# Altium PCB mantarray_beta2_sensor_arrayed.PcbDoc (part 4 of 14)
Units mil, origin at the board's own origin, x right, y up, seen from the top; angles counter-clockwise.
Board outline 6232.47 x 10167.51 mil, 8 copper layers (Layer1_Top, Layer2_sig1, Layer3_AVDD_PLANE, Layer4_GND_PLANE, Layer5_DVDD_PLANE, Layer6_BUS, Layer7_sig2, Layer8_BOT), stack 50.224 mil thick; 470 components, 492 nets, 4650 pads, 3798 vias.
Unrouted connection lines stored in the file: 3.
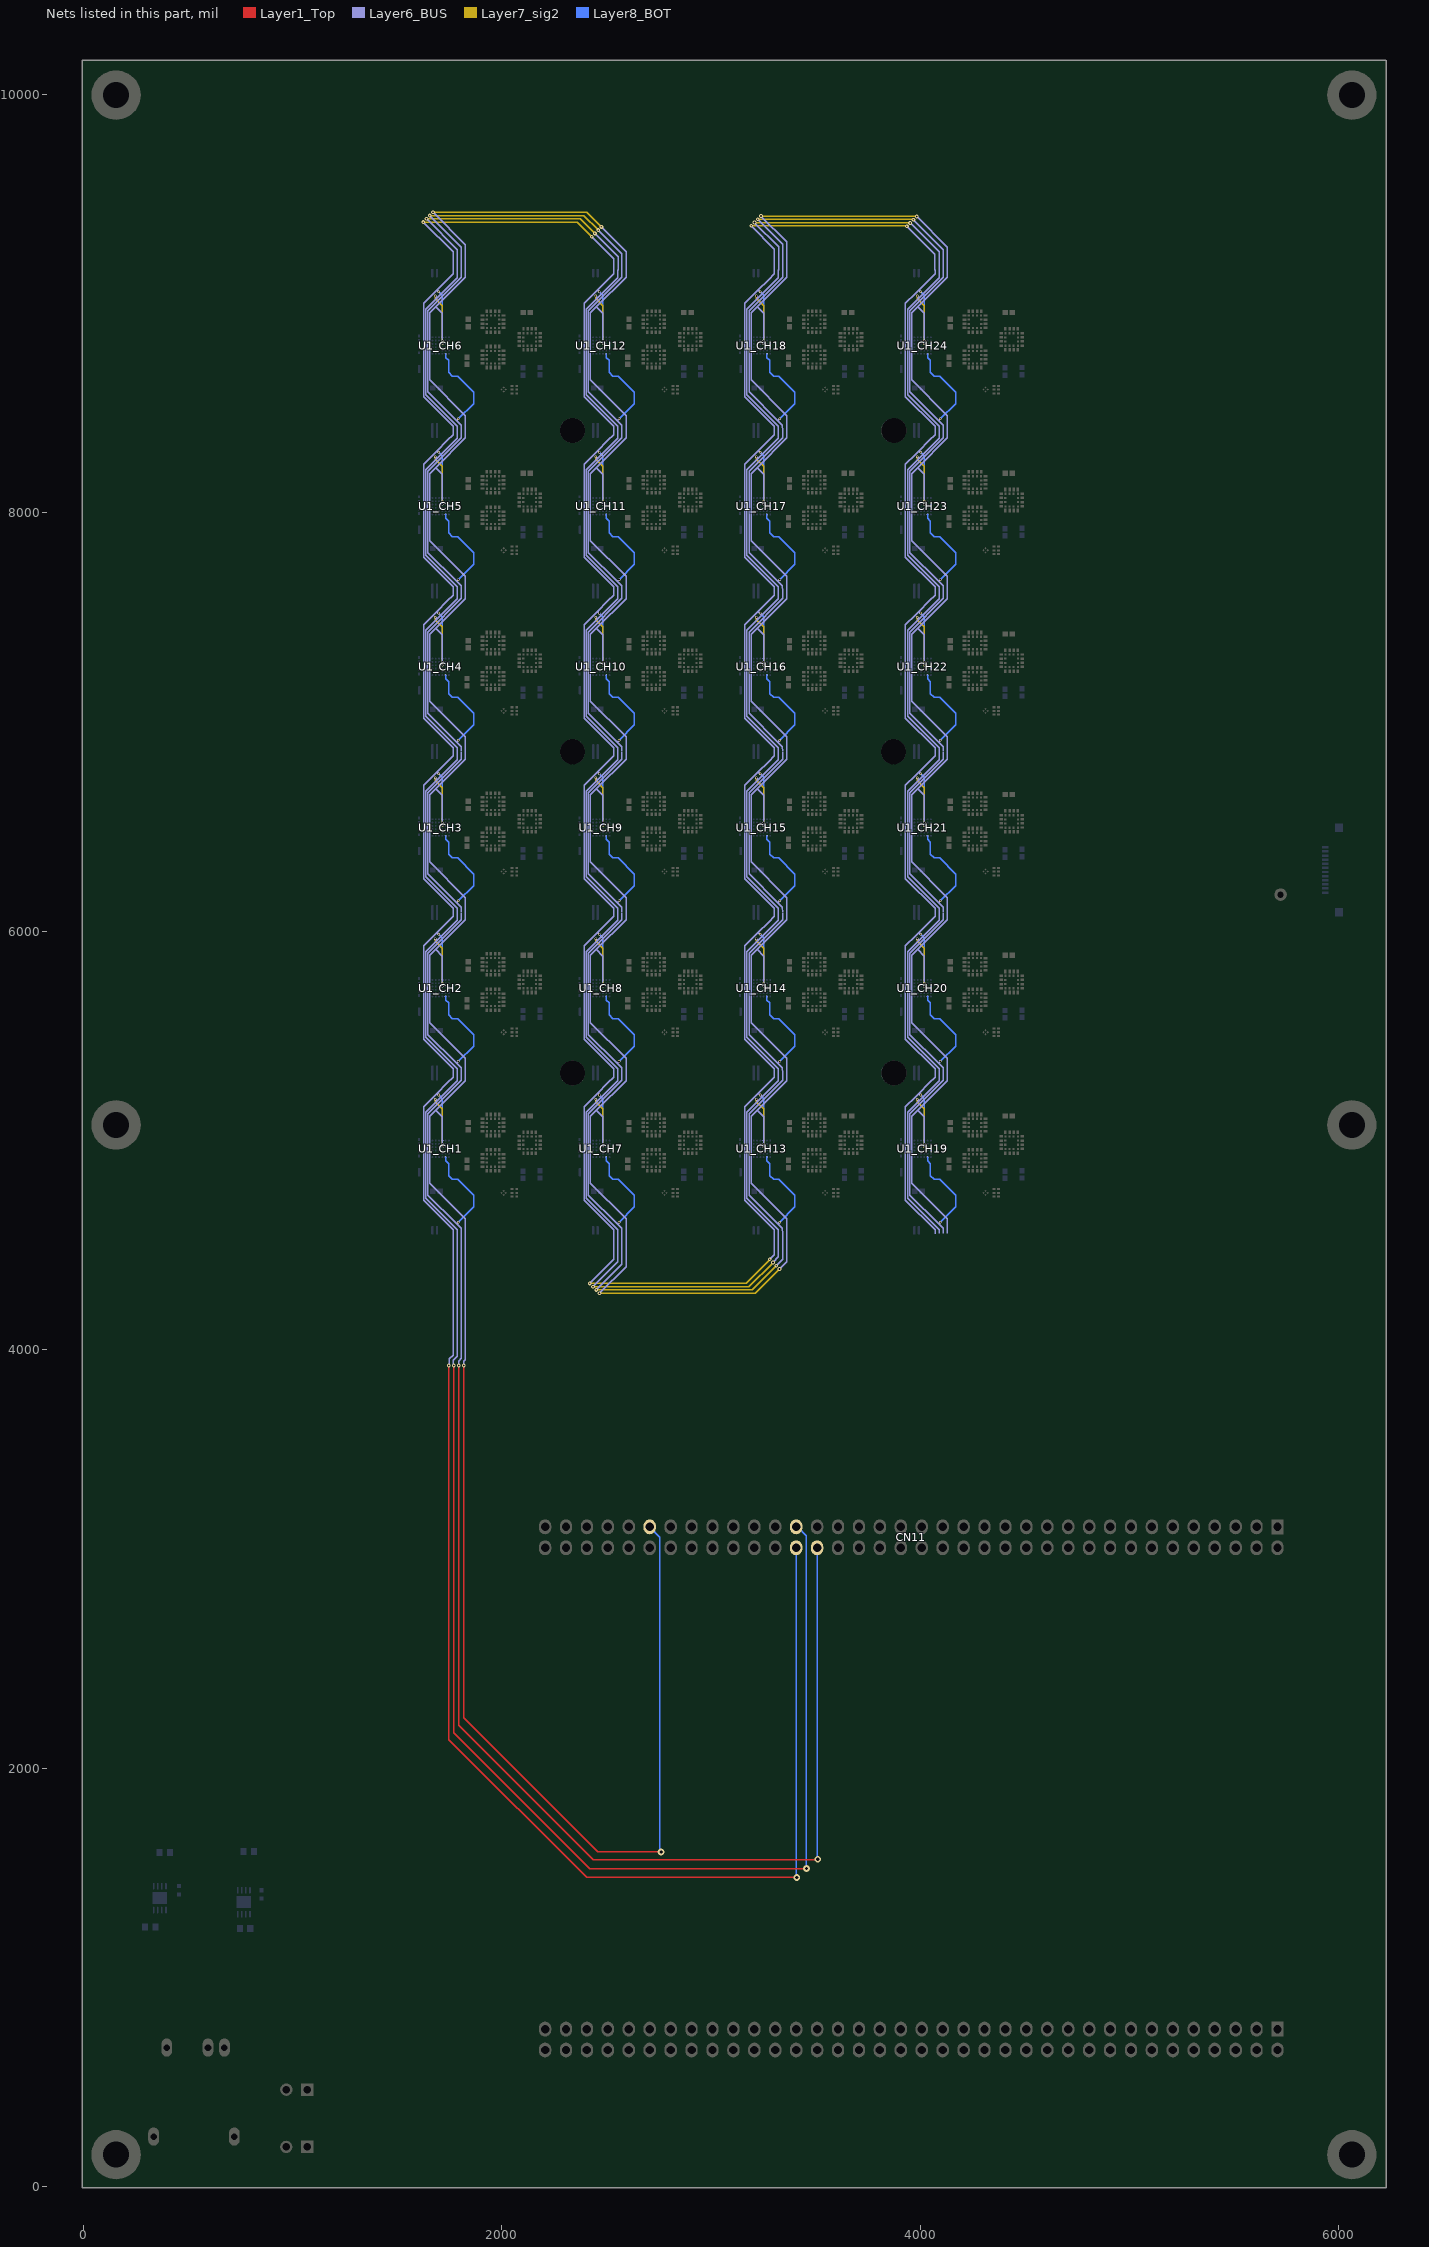
[diagram p10: the nets of this part, all layers, seen from the top]

## Via types
v1: diameter 12/12/12/12/12 (per signal layer), hole 7.87, Layer1_Top to Layer8_BOT, 2208 vias
v2: diameter 32, hole 20, Layer1_Top to Layer8_BOT, 815 vias
v3: diameter 10/10/10/10/10 (per signal layer), hole 7.87, Layer1_Top to Layer8_BOT, 456 vias
v4: diameter 18, hole 8, Layer6_BUS to Layer7_sig2, 102 vias
v5: diameter 10/10 (per signal layer), hole 7.87, Layer7_sig2 to Layer8_BOT, 96 vias
v6: diameter 18, hole 16, Layer1_Top to Layer8_BOT, 57 vias
v7: diameter 12, hole 7.87, Layer1_Top to Layer8_BOT, 26 vias
v8: diameter 18, hole 8, Layer1_Top to Layer8_BOT, 17 vias
v9: diameter 32, hole 16, Layer1_Top to Layer8_BOT, 10 vias
v10: diameter 19.68, hole 7.87, Layer1_Top to Layer8_BOT, 4 vias
v11: diameter 30, hole 20, Layer1_Top to Layer8_BOT, 3 vias
v12: diameter 70.87, hole 47.24, Layer1_Top to Layer8_BOT, 2 vias
v13: diameter 20, hole 16, Layer3_AVDD_PLANE to Layer8_BOT, 1 vias
v14: diameter 20, hole 16, Layer5_DVDD_PLANE to Layer8_BOT, 1 vias

## Nets (pads, with @x,y where several pads share a name; then routed paths per layer and width w, separated by ;. In a path a pad name is that pad's centre, name@x,y a point inside that pad or via, vN(x,y) a via of type N, cw(c..) or ccw(c..) an arc to the next point about the centre after c; other vN are vias at no path point) (continued)
BUS1: CN11.61 pad.5@1826.77,4557.09 pad.5@1826.77,5320.87 pad.5@1826.77,5324.8 pad.5@1826.77,6088.58 pad.5@1826.77,6092.52 pad.5@1826.77,6856.3 pad.5@1826.77,6860.24 pad.5@1826.77,7624.02 pad.5@1826.77,7627.95 pad.5@1826.77,8391.73 pad.5@1826.77,8395.67 pad.5@1826.77,9159.45 pad.5@2594.49,4557.09 pad.5@2594.49,5320.87 pad.5@2594.49,5324.8 pad.5@2594.49,6088.58 pad.5@2594.49,6092.52 pad.5@2594.49,6856.3 pad.5@2594.49,6860.24 pad.5@2594.49,7624.02 pad.5@2594.49,7627.95 pad.5@2594.49,8391.73 pad.5@2594.49,8395.67 pad.5@2594.49,9159.45 pad.5@3362.2,4557.09 pad.5@3362.2,5320.87 pad.5@3362.2,5324.8 pad.5@3362.2,6088.58 pad.5@3362.2,6092.52 pad.5@3362.2,6856.3 pad.5@3362.2,6860.24 pad.5@3362.2,7624.02 pad.5@3362.2,7627.95 pad.5@3362.2,8391.73 pad.5@3362.2,8395.67 pad.5@3362.2,9159.45 pad.5@4129.92,4557.09 pad.5@4129.92,5320.87 pad.5@4129.92,5324.8 pad.5@4129.92,6088.58 pad.5@4129.92,6092.52 pad.5@4129.92,6856.3 pad.5@4129.92,6860.24 pad.5@4129.92,7624.02 pad.5@4129.92,7627.95 pad.5@4129.92,8391.73 pad.5@4129.92,8395.67 pad.5@4129.92,9159.45 U1_CH1.C3 U1_CH2.C3 U1_CH3.C3 U1_CH4.C3 U1_CH5.C3 U1_CH6.C3 U1_CH7.C3 U1_CH8.C3 U1_CH9.C3 U1_CH10.C3 U1_CH11.C3 U1_CH12.C3 U1_CH13.C3 U1_CH14.C3 U1_CH15.C3 U1_CH16.C3 U1_CH17.C3 U1_CH18.C3 U1_CH19.C3 U1_CH20.C3 U1_CH21.C3 U1_CH22.C3 U1_CH23.C3 U1_CH24.C3 | length 35651.1
  Layer1_Top w6: v8(1818.71,3925.2) 1818.71,2241.01 2459.32,1600.39 v9(2761.81,1600.39)
  Layer6_BUS w6: v4(1672.08,9435.86) 1826.77,9281.16 pad.5@1826.77,9159.45 1826.77,9125.62 1685.22,8984.07 ; v3(1716.54,4968.5) 1716.54,5114.17 1685.22,5145.49 ; v3(1716.54,5736.22) 1716.54,5881.89 1685.22,5913.2 ; v3(1716.54,6503.94) 1716.54,6649.61 1685.22,6680.92 ; v3(1716.54,7271.65) 1716.54,7417.32 1685.22,7448.64 ; v3(1716.54,8039.37) 1716.54,8185.04 1685.22,8216.35 ; v3(1716.54,8807.09) 1716.54,8952.76 1685.22,8984.07 ; v8(1818.71,3925.2) 1818.71,3944.69 1826.77,3952.76 pad.5@1826.77,4557.09 1826.77,4625.98 1656.68,4796.08 1656.68,5116.94 1685.22,5145.49 ; pad.5@1826.77,5322.83 pad.5@1826.77,5320.87 1826.77,5287.04 1685.22,5145.49 ; pad.5@1826.77,5324.8 1826.77,5393.7 1656.68,5563.8 1656.68,5884.66 1685.22,5913.2 ; pad.5@1826.77,6090.55 pad.5@1826.77,6088.58 1826.77,6054.76 1685.22,5913.2 ; pad.5@1826.77,6092.52 1826.77,6161.42 1656.68,6331.51 1656.68,6652.38 1685.22,6680.92 ; pad.5@1826.77,6858.27 pad.5@1826.77,6856.3 1826.77,6822.47 1685.22,6680.92 ; pad.5@1826.77,6860.24 1826.77,6929.13 1656.68,7099.23 1656.68,7420.09 1685.22,7448.64 ; pad.5@1826.77,7625.98 pad.5@1826.77,7624.02 1826.77,7590.19 1685.22,7448.64 ; pad.5@1826.77,7627.95 1826.77,7696.85 1656.68,7866.94 1656.68,8187.81 1685.22,8216.35 ; pad.5@1826.77,8393.7 pad.5@1826.77,8391.73 1826.77,8357.91 1685.22,8216.35 ; pad.5@1826.77,8395.67 1826.77,8464.57 1656.68,8634.66 1656.68,8955.53 1685.22,8984.07 ; v4(2467.35,4270.84) 2594.49,4397.97 pad.5@2594.49,4557.09 2594.49,4625.98 2424.39,4796.08 2424.39,5116.94 2452.94,5145.49 ; v4(2476.63,9366.39) 2594.49,9248.53 pad.5@2594.49,9159.45 2594.49,9125.62 2452.94,8984.07 ; v3(2484.25,4968.5) 2484.25,5114.17 2452.94,5145.49 ; v3(2484.25,5736.22) 2484.25,5881.89 2452.94,5913.2 ; v3(2484.25,6503.94) 2484.25,6649.61 2452.94,6680.92 ; v3(2484.25,7271.65) 2484.25,7417.32 2452.94,7448.64 ; v3(2484.25,8039.37) 2484.25,8185.04 2452.94,8216.35 ; v3(2484.25,8807.09) 2484.25,8952.76 2452.94,8984.07 ; pad.5@2594.49,5322.83 pad.5@2594.49,5320.87 2594.49,5287.04 2452.94,5145.49 ; pad.5@2594.49,5324.8 2594.49,5393.7 2424.39,5563.8 2424.39,5884.66 2452.94,5913.2 ; pad.5@2594.49,6090.55 pad.5@2594.49,6088.58 2594.49,6054.76 2452.94,5913.2 ; pad.5@2594.49,6092.52 2594.49,6161.42 2424.39,6331.51 2424.39,6652.38 2452.94,6680.92 ; pad.5@2594.49,6858.27 pad.5@2594.49,6856.3 2594.49,6822.47 2452.94,6680.92 ; pad.5@2594.49,6860.24 2594.49,6929.13 2424.39,7099.23 2424.39,7420.09 2452.94,7448.64 ; pad.5@2594.49,7625.98 pad.5@2594.49,7624.02 2594.49,7590.19 2452.94,7448.64 ; pad.5@2594.49,7627.95 2594.49,7696.85 2424.39,7866.94 2424.39,8187.81 2452.94,8216.35 ; pad.5@2594.49,8393.7 pad.5@2594.49,8391.73 2594.49,8357.91 2452.94,8216.35 ; pad.5@2594.49,8395.67 2594.49,8464.57 2424.39,8634.66 2424.39,8955.53 2452.94,8984.07 ; v4(3239.01,9418.14) 3362.2,9294.94 pad.5@3362.2,9159.45 3362.2,9125.62 3220.65,8984.07 ; v3(3251.97,4968.5) 3251.97,5114.17 3220.65,5145.49 ; v3(3251.97,5736.22) 3251.97,5881.89 3220.65,5913.2 ; v3(3251.97,6503.94) 3251.97,6649.61 3220.65,6680.92 ; v3(3251.97,7271.65) 3251.97,7417.32 3220.65,7448.64 ; v3(3251.97,8039.37) 3251.97,8185.04 3220.65,8216.35 ; v3(3251.97,8807.09) 3251.97,8952.76 3220.65,8984.07 ; v4(3328,4386.56) 3362.2,4420.76 pad.5@3362.2,4557.09 3362.2,4625.98 3192.11,4796.08 3192.11,5116.94 3220.65,5145.49 ; pad.5@3362.2,5322.83 pad.5@3362.2,5320.87 3362.2,5287.04 3220.65,5145.49 ; pad.5@3362.2,5324.8 3362.2,5393.7 3192.11,5563.8 3192.11,5884.66 3220.65,5913.2 ; pad.5@3362.2,6090.55 pad.5@3362.2,6088.58 3362.2,6054.76 3220.65,5913.2 ; pad.5@3362.2,6092.52 3362.2,6161.42 3192.11,6331.51 3192.11,6652.38 3220.65,6680.92 ; pad.5@3362.2,6858.27 pad.5@3362.2,6856.3 3362.2,6822.47 3220.65,6680.92 ; pad.5@3362.2,6860.24 3362.2,6929.13 3192.11,7099.23 3192.11,7420.09 3220.65,7448.64 ; pad.5@3362.2,7625.98 pad.5@3362.2,7624.02 3362.2,7590.19 3220.65,7448.64 ; pad.5@3362.2,7627.95 3362.2,7696.85 3192.11,7866.94 3192.11,8187.81 3220.65,8216.35 ; pad.5@3362.2,8393.7 pad.5@3362.2,8391.73 3362.2,8357.91 3220.65,8216.35 ; pad.5@3362.2,8395.67 3362.2,8464.57 3192.11,8634.66 3192.11,8955.53 3220.65,8984.07 ; v4(3983.1,9416.17) 4129.73,9269.54 pad.5@4129.73,9159.64 ; v3(4019.69,4968.5) 4019.69,5114.17 3988.37,5145.49 ; v3(4019.69,5736.22) 4019.69,5881.89 3988.37,5913.2 ; v3(4019.69,6503.94) 4019.69,6649.61 3988.37,6680.92 ; v3(4019.69,7271.65) 4019.69,7417.32 3988.37,7448.64 ; v3(4019.69,8039.37) 4019.69,8185.04 3988.37,8216.35 ; v3(4019.69,8807.09) 4019.69,8952.76 3988.37,8984.07 ; pad.5@4129.92,4557.09 4129.92,4625.98 3959.83,4796.08 3959.83,5116.94 3988.37,5145.49 ; pad.5@4129.92,5322.83 pad.5@4129.92,5320.87 4129.92,5287.04 3988.37,5145.49 ; pad.5@4129.92,5324.8 4129.92,5393.7 3959.83,5563.8 3959.83,5884.66 3988.37,5913.2 ; pad.5@4129.92,6090.55 pad.5@4129.92,6088.58 4129.92,6054.76 3988.37,5913.2 ; pad.5@4129.92,6092.52 4129.92,6161.42 3959.83,6331.51 3959.83,6652.38 3988.37,6680.92 ; pad.5@4129.92,6858.27 pad.5@4129.92,6856.3 4129.92,6822.47 3988.37,6680.92 ; pad.5@4129.92,6860.24 4129.92,6929.13 3959.83,7099.23 3959.83,7420.09 3988.37,7448.64 ; pad.5@4129.92,7625.98 pad.5@4129.92,7624.02 4129.92,7590.19 3988.37,7448.64 ; pad.5@4129.92,7627.95 4129.92,7696.85 3959.83,7866.94 3959.83,8187.81 3988.37,8216.35 ; pad.5@4129.92,8393.7 pad.5@4129.92,8391.73 4129.92,8357.91 3988.37,8216.35 ; pad.5@4129.92,8395.67 4129.92,8464.57 3959.83,8634.66 3959.83,8955.53 3988.37,8984.07 ; pad.5@4129.92,9161.42 pad.5@4129.92,9159.45 4129.92,9125.62 3988.37,8984.07
  Layer7_sig2 w6: v4(1672.08,9435.86) 1672.52,9435.41 1694.26,9435.41 1694.71,9435.86 2407.16,9435.86 v4(2476.63,9366.39) ; v4(2467.35,4270.84) 2467.8,4271.28 2489.54,4271.28 2489.98,4270.84 3212.28,4270.84 v4(3328,4386.56) ; v4(3239.01,9418.14) 3239.45,9417.7 3981.58,9417.7 v4(3983.1,9416.17)
  Layer8_BOT w6: CN11.61@2707.48,3153.94 2755.91,3105.51 2755.91,1613.33 2761.81,1607.43 v9(2761.81,1600.39)
BUS2: CN11.46 pad.5@1807.09,4557.09 pad.5@1807.09,5320.87 pad.5@1807.09,5324.8 pad.5@1807.09,6088.58 pad.5@1807.09,6092.52 pad.5@1807.09,6856.3 pad.5@1807.09,6860.24 pad.5@1807.09,7624.02 pad.5@1807.09,7627.95 pad.5@1807.09,8391.73 pad.5@1807.09,8395.67 pad.5@1807.09,9159.45 pad.5@2574.8,4557.09 pad.5@2574.8,5320.87 pad.5@2574.8,5324.8 pad.5@2574.8,6088.58 pad.5@2574.8,6092.52 pad.5@2574.8,6856.3 pad.5@2574.8,6860.24 pad.5@2574.8,7624.02 pad.5@2574.8,7627.95 pad.5@2574.8,8391.73 pad.5@2574.8,8395.67 pad.5@2574.8,9159.45 pad.5@3342.52,4557.09 pad.5@3342.52,5320.87 pad.5@3342.52,5324.8 pad.5@3342.52,6088.58 pad.5@3342.52,6092.52 pad.5@3342.52,6856.3 pad.5@3342.52,6860.24 pad.5@3342.52,7624.02 pad.5@3342.52,7627.95 pad.5@3342.52,8391.73 pad.5@3342.52,8395.67 pad.5@3342.52,9159.45 pad.5@4110.24,4557.09 pad.5@4110.24,5320.87 pad.5@4110.24,5324.8 pad.5@4110.24,6088.58 pad.5@4110.24,6092.52 pad.5@4110.24,6856.3 pad.5@4110.24,6860.24 pad.5@4110.24,7624.02 pad.5@4110.24,7627.95 pad.5@4110.24,8391.73 pad.5@4110.24,8395.67 pad.5@4110.24,9159.45 U1_CH1.F2 U1_CH2.F2 U1_CH3.F2 U1_CH4.F2 U1_CH5.F2 U1_CH6.F2 U1_CH7.F2 U1_CH8.F2 U1_CH9.F2 U1_CH10.F2 U1_CH11.F2 U1_CH12.F2 U1_CH13.F2 U1_CH14.F2 U1_CH15.F2 U1_CH16.F2 U1_CH17.F2 U1_CH18.F2 U1_CH19.F2 U1_CH20.F2 U1_CH21.F2 U1_CH22.F2 U1_CH23.F2 U1_CH24.F2 | length 41645.8
  Layer1_Top w6: v8(1794.99,3925.2) 1794.99,2206.13 2437.2,1563.92 v9@3507.48,1563.92
  Layer6_BUS w6: v4(1656.52,9420.3) 1807.09,9269.74 pad.5@1807.09,9159.45 1807.09,9125.98 1646.68,8965.57 1646.68,8577.73 1784.45,8439.96 ; v1(1793.31,4610.24) 1784.45,4601.38 ; v1(1793.31,5377.95) 1784.45,5369.09 ; v1(1793.31,6145.67) 1784.45,6136.81 ; v1(1793.31,6913.39) 1784.45,6904.53 ; v1(1793.31,7681.1) 1784.45,7672.24 ; v1(1793.31,8448.82) 1784.45,8439.96 ; v8(1794.99,3925.2) 1794.99,3946.57 1807.09,3958.66 pad.5@1807.09,4557.09 1805.97,4577.88 1805.97,4579.85 1784.45,4601.38 ; pad.5@1807.09,5320.87 1807.09,5287.4 1646.68,5126.99 1646.68,4739.15 1784.45,4601.38 ; pad.5@1807.09,5324.8 1805.97,5345.6 1805.97,5347.57 1784.45,5369.09 ; pad.5@1807.09,6088.58 1807.09,6055.12 1646.68,5894.71 1646.68,5506.87 1784.45,5369.09 ; pad.5@1807.09,6092.52 1805.97,6113.32 1805.97,6115.29 1784.45,6136.81 ; pad.5@1807.09,6856.3 1807.09,6822.83 1646.68,6662.43 1646.68,6274.58 1784.45,6136.81 ; pad.5@1807.09,6860.24 1805.97,6881.03 1805.97,6883 1784.45,6904.53 ; pad.5@1807.09,7624.02 1807.09,7590.55 1646.68,7430.14 1646.68,7042.3 1784.45,6904.53 ; pad.5@1807.09,7627.95 1805.97,7648.75 1805.97,7650.72 1784.45,7672.24 ; pad.5@1807.09,8391.73 1807.09,8358.27 1646.68,8197.86 1646.68,7810.02 1784.45,7672.24 ; pad.5@1807.09,8395.67 1805.97,8416.47 1805.97,8418.43 1784.45,8439.96 ; v4(2451.8,4286.39) 2574.8,4409.4 pad.5@2574.8,4557.09 2573.69,4577.88 2573.69,4579.85 2552.17,4601.38 ; v4(2461.07,9350.83) 2574.8,9237.1 pad.5@2574.8,9159.45 2574.8,9125.98 2414.39,8965.57 2414.39,8577.73 2552.17,8439.96 ; v1(2561.02,4610.24) 2552.17,4601.38 ; v1(2561.02,5377.95) 2552.17,5369.09 ; v1(2561.02,6145.67) 2552.17,6136.81 ; v1(2561.02,6913.39) 2552.17,6904.53 ; v1(2561.02,7681.1) 2552.17,7672.24 ; v1(2561.02,8448.82) 2552.17,8439.96 ; pad.5@2574.8,5320.87 2574.8,5287.4 2414.39,5126.99 2414.39,4739.15 2552.17,4601.38 ; pad.5@2574.8,5324.8 2573.69,5345.6 2573.69,5347.57 2552.17,5369.09 ; pad.5@2574.8,6088.58 2574.8,6055.12 2414.39,5894.71 2414.39,5506.87 2552.17,5369.09 ; pad.5@2574.8,6092.52 2573.69,6113.32 2573.69,6115.29 2552.17,6136.81 ; pad.5@2574.8,6856.3 2574.8,6822.83 2414.39,6662.43 2414.39,6274.58 2552.17,6136.81 ; pad.5@2574.8,6860.24 2573.69,6881.03 2573.69,6883 2552.17,6904.53 ; pad.5@2574.8,7624.02 2574.8,7590.55 2414.39,7430.14 2414.39,7042.3 2552.17,6904.53 ; pad.5@2574.8,7627.95 2573.69,7648.75 2573.69,7650.72 2552.17,7672.24 ; pad.5@2574.8,8391.73 2574.8,8358.27 2414.39,8197.86 2414.39,7810.02 2552.17,7672.24 ; pad.5@2574.8,8395.67 2573.69,8416.47 2573.69,8418.43 2552.17,8439.96 ; v4(3223.45,9402.58) 3342.52,9283.52 pad.5@3342.52,9159.45 3342.52,9125.98 3182.11,8965.57 3182.11,8577.73 3319.88,8439.96 ; v4(3312.45,4402.12) 3342.52,4432.19 pad.5@3342.52,4557.09 3341.41,4577.88 3341.41,4579.85 3319.88,4601.38 ; v1(3328.74,4610.24) 3319.88,4601.38 ; v1(3328.74,5377.95) 3319.88,5369.09 ; v1(3328.74,6145.67) 3319.88,6136.81 ; v1(3328.74,6913.39) 3319.88,6904.53 ; v1(3328.74,7681.1) 3319.88,7672.24 ; v1(3328.74,8448.82) 3319.88,8439.96 ; pad.5@3342.52,5320.87 3342.52,5287.4 3182.11,5126.99 3182.11,4739.15 3319.88,4601.38 ; pad.5@3342.52,5324.8 3341.41,5345.6 3341.41,5347.57 3319.88,5369.09 ; pad.5@3342.52,6088.58 3342.52,6055.12 3182.11,5894.71 3182.11,5506.87 3319.88,5369.09 ; pad.5@3342.52,6092.52 3341.41,6113.32 3341.41,6115.29 3319.88,6136.81 ; pad.5@3342.52,6856.3 3342.52,6822.83 3182.11,6662.43 3182.11,6274.58 3319.88,6136.81 ; pad.5@3342.52,6860.24 3341.41,6881.03 3341.41,6883 3319.88,6904.53 ; pad.5@3342.52,7624.02 3342.52,7590.55 3182.11,7430.14 3182.11,7042.3 3319.88,6904.53 ; pad.5@3342.52,7627.95 3341.41,7648.75 3341.41,7650.72 3319.88,7672.24 ; pad.5@3342.52,8391.73 3342.52,8358.27 3182.11,8197.86 3182.11,7810.02 3319.88,7672.24 ; pad.5@3342.52,8395.67 3341.41,8416.47 3341.41,8418.43 3319.88,8439.96 ; v4(3967.55,9400.62) 4109.95,9258.21 pad.5@4109.95,9159.73 ; v1(4096.46,4610.24) 4087.6,4601.38 ; v1(4096.46,5377.95) 4087.6,5369.09 ; v1(4096.46,6145.67) 4087.6,6136.81 ; v1(4096.46,6913.39) 4087.6,6904.53 ; v1(4096.46,7681.1) 4087.6,7672.24 ; v1(4096.46,8448.82) 4087.6,8439.96 ; pad.5@4110.24,4557.09 4109.12,4577.88 4109.12,4579.85 4087.6,4601.38 ; pad.5@4110.24,5320.87 4110.24,5287.4 3949.83,5126.99 3949.83,4739.15 4087.6,4601.38 ; pad.5@4110.24,5324.8 4109.12,5345.6 4109.12,5347.57 4087.6,5369.09 ; pad.5@4110.24,6088.58 4110.24,6055.12 3949.83,5894.71 3949.83,5506.87 4087.6,5369.09 ; pad.5@4110.24,6092.52 4109.12,6113.32 4109.12,6115.29 4087.6,6136.81 ; pad.5@4110.24,6856.3 4110.24,6822.83 3949.83,6662.43 3949.83,6274.58 4087.6,6136.81 ; pad.5@4110.24,6860.24 4109.12,6881.03 4109.12,6883 4087.6,6904.53 ; pad.5@4110.24,7624.02 4110.24,7590.55 3949.83,7430.14 3949.83,7042.3 4087.6,6904.53 ; pad.5@4110.24,7627.95 4109.12,7648.75 4109.12,7650.72 4087.6,7672.24 ; pad.5@4110.24,8391.73 4110.24,8358.27 3949.83,8197.86 3949.83,7810.02 4087.6,7672.24 ; pad.5@4110.24,8395.67 4109.12,8416.47 4109.12,8418.43 4087.6,8439.96 ; pad.5@4110.24,9159.45 4110.24,9125.98 3949.83,8965.57 3949.83,8577.73 4087.6,8439.96
  Layer7_sig2 w6: v4(1656.52,9420.3) 1656.97,9419.86 1678.71,9419.86 1679.15,9420.3 2392.69,9420.3 2461.07,9351.92 v4(2461.07,9350.83) ; v4(2451.8,4286.39) 2452.24,4286.84 2473.98,4286.84 2474.42,4286.39 3197.81,4286.39 3312.45,4401.03 v4(3312.45,4402.12) ; v4(3223.45,9402.58) 3223.89,9402.14 3966.02,9402.14 v4(3967.55,9400.62)
  Layer8_BOT w6: U1_CH1.F2@1732.28,4921.26 1732.28,4903.54 1746.06,4889.76 1746.06,4832.68 1763.78,4814.96 1789.37,4814.96 1866.14,4738.19 1866.14,4683.07 v1(1793.31,4610.24) ; U1_CH2.F2@1732.28,5688.98 1732.28,5671.26 1746.06,5657.48 1746.06,5600.39 1763.78,5582.68 1789.37,5582.68 1866.14,5505.91 1866.14,5450.79 v1(1793.31,5377.95) ; U1_CH3.F2@1732.28,6456.69 1732.28,6438.98 1746.06,6425.2 1746.06,6368.11 1763.78,6350.39 1789.37,6350.39 1866.14,6273.62 1866.14,6218.5 v1(1793.31,6145.67) ; U1_CH4.F2@1732.28,7224.41 1732.28,7206.69 1746.06,7192.91 1746.06,7135.83 1763.78,7118.11 1789.37,7118.11 1866.14,7041.34 1866.14,6986.22 v1(1793.31,6913.39) ; U1_CH5.F2@1732.28,7992.13 1732.28,7974.41 1746.06,7960.63 1746.06,7903.54 1763.78,7885.83 1789.37,7885.83 1866.14,7809.06 1866.14,7753.94 v1(1793.31,7681.1) ; U1_CH6.F2@1732.28,8759.84 1732.28,8742.13 1746.06,8728.35 1746.06,8671.26 1763.78,8653.54 1789.37,8653.54 1866.14,8576.77 1866.14,8521.65 v1(1793.31,8448.82) ; U1_CH7.F2@2500,4921.26 2500,4903.54 2513.78,4889.76 2513.78,4832.68 2531.5,4814.96 2557.09,4814.96 2633.86,4738.19 2633.86,4683.07 v1(2561.02,4610.24) ; U1_CH8.F2@2500,5688.98 2500,5671.26 2513.78,5657.48 2513.78,5600.39 2531.5,5582.68 2557.09,5582.68 2633.86,5505.91 2633.86,5450.79 v1(2561.02,5377.95) ; U1_CH9.F2@2500,6456.69 2500,6438.98 2513.78,6425.2 2513.78,6368.11 2531.5,6350.39 2557.09,6350.39 2633.86,6273.62 2633.86,6218.5 v1(2561.02,6145.67) ; U1_CH10.F2@2500,7224.41 2500,7206.69 2513.78,7192.91 2513.78,7135.83 2531.5,7118.11 2557.09,7118.11 2633.86,7041.34 2633.86,6986.22 v1(2561.02,6913.39) ; U1_CH11.F2@2500,7992.13 2500,7974.41 2513.78,7960.63 2513.78,7903.54 2531.5,7885.83 2557.09,7885.83 2633.86,7809.06 2633.86,7753.94 v1(2561.02,7681.1) ; U1_CH12.F2@2500,8759.84 2500,8742.13 2513.78,8728.35 2513.78,8671.26 2531.5,8653.54 2557.09,8653.54 2633.86,8576.77 2633.86,8521.65 v1(2561.02,8448.82) ; U1_CH13.F2@3267.72,4921.26 3267.72,4903.54 3281.5,4889.76 3281.5,4832.68 3299.21,4814.96 3324.8,4814.96 3401.57,4738.19 3401.57,4683.07 v1(3328.74,4610.24) ; U1_CH14.F2@3267.72,5688.98 3267.72,5671.26 3281.5,5657.48 3281.5,5600.39 3299.21,5582.68 3324.8,5582.68 3401.57,5505.91 3401.57,5450.79 v1(3328.74,5377.95) ; U1_CH15.F2@3267.72,6456.69 3267.72,6438.98 3281.5,6425.2 3281.5,6368.11 3299.21,6350.39 3324.8,6350.39 3401.57,6273.62 3401.57,6218.5 v1(3328.74,6145.67) ; U1_CH16.F2@3267.72,7224.41 3267.72,7206.69 3281.5,7192.91 3281.5,7135.83 3299.21,7118.11 3324.8,7118.11 3401.57,7041.34 3401.57,6986.22 v1(3328.74,6913.39) ; U1_CH17.F2@3267.72,7992.13 3267.72,7974.41 3281.5,7960.63 3281.5,7903.54 3299.21,7885.83 3324.8,7885.83 3401.57,7809.06 3401.57,7753.94 v1(3328.74,7681.1) ; U1_CH18.F2@3267.72,8759.84 3267.72,8742.13 3281.5,8728.35 3281.5,8671.26 3299.21,8653.54 3324.8,8653.54 3401.57,8576.77 3401.57,8521.65 v1(3328.74,8448.82) ; CN11.46@3507.48,3053.94 3507.48,1567.32 v9(3509.84,1564.96) ; U1_CH19.F2@4035.43,4921.26 4035.43,4903.54 4049.21,4889.76 4049.21,4832.68 4066.93,4814.96 4092.52,4814.96 4169.29,4738.19 4169.29,4683.07 v1(4096.46,4610.24) ; U1_CH20.F2@4035.43,5688.98 4035.43,5671.26 4049.21,5657.48 4049.21,5600.39 4066.93,5582.68 4092.52,5582.68 4169.29,5505.91 4169.29,5450.79 v1(4096.46,5377.95) ; U1_CH21.F2@4035.43,6456.69 4035.43,6438.98 4049.21,6425.2 4049.21,6368.11 4066.93,6350.39 4092.52,6350.39 4169.29,6273.62 4169.29,6218.5 v1(4096.46,6145.67) ; U1_CH22.F2@4035.43,7224.41 4035.43,7206.69 4049.21,7192.91 4049.21,7135.83 4066.93,7118.11 4092.52,7118.11 4169.29,7041.34 4169.29,6986.22 v1(4096.46,6913.39) ; U1_CH23.F2@4035.43,7992.13 4035.43,7974.41 4049.21,7960.63 4049.21,7903.54 4066.93,7885.83 4092.52,7885.83 4169.29,7809.06 4169.29,7753.94 v1(4096.46,7681.1) ; U1_CH24.F2@4035.43,8759.84 4035.43,8742.13 4049.21,8728.35 4049.21,8671.26 4066.93,8653.54 4092.52,8653.54 4169.29,8576.77 4169.29,8521.65 v1(4096.46,8448.82)
BUS3: CN11.47 pad.5@1787.4,4557.09 pad.5@1787.4,5324.8 pad.5@1787.4,6092.52 pad.5@1787.4,6860.24 pad.5@1787.4,7627.95 pad.5@1787.4,8395.67 pad.5@1788.26,5320.87 pad.5@1788.26,6088.58 pad.5@1788.26,6856.3 pad.5@1788.26,7624.02 pad.5@1788.26,8391.73 pad.5@1788.26,9159.45 pad.5@2555.12,4557.09 pad.5@2555.12,5324.8 pad.5@2555.12,6092.52 pad.5@2555.12,6860.24 pad.5@2555.12,7627.95 pad.5@2555.12,8395.67 pad.5@2555.97,5320.87 pad.5@2555.97,6088.58 pad.5@2555.97,6856.3 pad.5@2555.97,7624.02 pad.5@2555.97,8391.73 pad.5@2555.97,9159.45 pad.5@3322.83,4557.09 pad.5@3322.83,5324.8 pad.5@3322.83,6092.52 pad.5@3322.83,6860.24 pad.5@3322.83,7627.95 pad.5@3322.83,8395.67 pad.5@3323.69,5320.87 pad.5@3323.69,6088.58 pad.5@3323.69,6856.3 pad.5@3323.69,7624.02 pad.5@3323.69,8391.73 pad.5@3323.69,9159.45 pad.5@4090.55,4557.09 pad.5@4090.55,5324.8 pad.5@4090.55,6092.52 pad.5@4090.55,6860.24 pad.5@4090.55,7627.95 pad.5@4090.55,8395.67 pad.5@4091.41,5320.87 pad.5@4091.41,6088.58 pad.5@4091.41,6856.3 pad.5@4091.41,7624.02 pad.5@4091.41,8391.73 pad.5@4091.41,9159.45 U1_CH1.B3 U1_CH2.B3 U1_CH3.B3 U1_CH4.B3 U1_CH5.B3 U1_CH6.B3 U1_CH7.B3 U1_CH8.B3 U1_CH9.B3 U1_CH10.B3 U1_CH11.B3 U1_CH12.B3 U1_CH13.B3 U1_CH14.B3 U1_CH15.B3 U1_CH16.B3 U1_CH17.B3 U1_CH18.B3 U1_CH19.B3 U1_CH20.B3 U1_CH21.B3 U1_CH22.B3 U1_CH23.B3 U1_CH24.B3 | length 37137.2
  Layer1_Top w6: v8(1771.28,3925.2) 1771.28,2171.25 2422.01,1520.52 v9@3456.69,1520.52
  Layer6_BUS w6: v4(1640.97,9404.75) 1788.26,9257.45 pad.5@1788.26,9159.45 ; v1(1682.09,5197.83) 1689.96,5189.96 ; v1(1682.09,5965.55) 1689.96,5957.68 ; v1(1682.09,6733.27) 1689.96,6725.39 ; v1(1682.09,7500.98) 1689.96,7493.11 ; v1(1682.09,8268.7) 1689.96,8260.83 ; v1(1682.09,9036.42) 1689.96,9028.54 ; v8(1771.28,3925.2) 1769.05,3927.43 1769.05,3950.15 1787.4,3968.5 pad.5@1787.4,4557.09 ; pad.5@1787.4,4560.3 1787.4,4574.8 1636.68,4725.53 1636.68,5134.71 1787.4,5285.43 pad.5@1787.4,5322.83 ; pad.5@1787.4,5324.8 1787.4,5328.02 1787.4,5342.52 1636.68,5493.24 1636.68,5902.43 1787.4,6053.15 pad.5@1787.4,6090.55 ; pad.5@1787.4,6092.52 1787.4,6095.73 1787.4,6110.24 1636.68,6260.96 1636.68,6670.14 1787.4,6820.87 pad.5@1787.4,6858.27 ; pad.5@1787.4,6860.24 1787.4,6863.45 1787.4,6877.95 1636.68,7028.68 1636.68,7437.86 1787.4,7588.58 pad.5@1787.4,7625.98 ; pad.5@1787.4,7627.95 1787.4,7631.17 1787.4,7645.67 1636.68,7796.39 1636.68,8205.57 1787.4,8356.3 pad.5@1787.4,8393.7 ; pad.5@1787.4,8395.67 1787.4,8398.88 1787.4,8413.39 1636.68,8564.11 1636.68,8973.29 1787.4,9124.02 pad.5@1787.4,9161.42 ; v4(2436.24,4301.95) 2555.12,4420.83 pad.5@2555.12,4555.12 ; v4(2445.51,9335.28) 2555.97,9224.82 pad.5@2555.97,9159.45 ; v1(2449.8,5197.83) 2457.68,5189.96 ; v1(2449.8,5965.55) 2457.68,5957.68 ; v1(2449.8,6733.27) 2457.68,6725.39 ; v1(2449.8,7500.98) 2457.68,7493.11 ; v1(2449.8,8268.7) 2457.68,8260.83 ; v1(2449.8,9036.42) 2457.68,9028.54 ; pad.5@2555.12,4557.09 2555.12,4560.3 2555.12,4574.8 2404.39,4725.53 2404.39,5134.71 2555.12,5285.43 pad.5@2555.12,5322.83 ; pad.5@2555.12,5324.8 2555.12,5328.02 2555.12,5342.52 2404.39,5493.24 2404.39,5902.43 2555.12,6053.15 pad.5@2555.12,6090.55 ; pad.5@2555.12,6092.52 2555.12,6095.73 2555.12,6110.24 2404.39,6260.96 2404.39,6670.14 2555.12,6820.87 pad.5@2555.12,6858.27 ; pad.5@2555.12,6860.24 2555.12,6863.45 2555.12,6877.95 2404.39,7028.68 2404.39,7437.86 2555.12,7588.58 pad.5@2555.12,7625.98 ; pad.5@2555.12,7627.95 2555.12,7631.17 2555.12,7645.67 2404.39,7796.39 2404.39,8205.57 2555.12,8356.3 pad.5@2555.12,8393.7 ; pad.5@2555.12,8395.67 2555.12,8398.88 2555.12,8413.39 2404.39,8564.11 2404.39,8973.29 2555.12,9124.02 pad.5@2555.12,9161.42 ; v4(3207.89,9387.03) 3323.69,9271.23 pad.5@3323.69,9159.45 ; v1(3217.52,5197.83) 3225.39,5189.96 ; v1(3217.52,5965.55) 3225.39,5957.68 ; v1(3217.52,6733.27) 3225.39,6725.39 ; v1(3217.52,7500.98) 3225.39,7493.11 ; v1(3217.52,8268.7) 3225.39,8260.83 ; v1(3217.52,9036.42) 3225.39,9028.54 ; v4(3296.89,4417.68) 3322.83,4443.62 pad.5@3322.83,4555.12 ; pad.5@3322.83,4557.09 3322.83,4560.3 3322.83,4574.8 3172.11,4725.53 3172.11,5134.71 3322.83,5285.43 pad.5@3322.83,5322.83 ; pad.5@3322.83,5324.8 3322.83,5328.02 3322.83,5342.52 3172.11,5493.24 3172.11,5902.43 3322.83,6053.15 pad.5@3322.83,6090.55 ; pad.5@3322.83,6092.52 3322.83,6095.73 3322.83,6110.24 3172.11,6260.96 3172.11,6670.14 3322.83,6820.87 pad.5@3322.83,6858.27 ; pad.5@3322.83,6860.24 3322.83,6863.45 3322.83,6877.95 3172.11,7028.68 3172.11,7437.86 3322.83,7588.58 pad.5@3322.83,7625.98 ; pad.5@3322.83,7627.95 3322.83,7631.17 3322.83,7645.67 3172.11,7796.39 3172.11,8205.57 3322.83,8356.3 pad.5@3322.83,8393.7 ; pad.5@3322.83,8395.67 3322.83,8398.88 3322.83,8413.39 3172.11,8564.11 3172.11,8973.29 3322.83,9124.02 pad.5@3322.83,9161.42 ; v4(3951.99,9385.06) 4090.17,9246.88 pad.5@4090.17,9160.68 ; v1(3985.24,5197.83) 3993.11,5189.96 ; v1(3985.24,5965.55) 3993.11,5957.68 ; v1(3985.24,6733.27) 3993.11,6725.39 ; v1(3985.24,7500.98) 3993.11,7493.11 ; v1(3985.24,8268.7) 3993.11,8260.83 ; v1(3985.24,9036.42) 3993.11,9028.54 ; pad.5@4090.55,4557.09 4090.55,4560.3 4090.55,4574.8 3939.83,4725.53 3939.83,5134.71 4090.55,5285.43 pad.5@4090.55,5322.83 ; pad.5@4090.55,5324.8 4090.55,5328.02 4090.55,5342.52 3939.83,5493.24 3939.83,5902.43 4090.55,6053.15 pad.5@4090.55,6090.55 ; pad.5@4090.55,6092.52 4090.55,6095.73 4090.55,6110.24 3939.83,6260.96 3939.83,6670.14 4090.55,6820.87 pad.5@4090.55,6858.27 ; pad.5@4090.55,6860.24 4090.55,6863.45 4090.55,6877.95 3939.83,7028.68 3939.83,7437.86 4090.55,7588.58 pad.5@4090.55,7625.98 ; pad.5@4090.55,7627.95 4090.55,7631.17 4090.55,7645.67 3939.83,7796.39 3939.83,8205.57 4090.55,8356.3 pad.5@4090.55,8393.7 ; pad.5@4090.55,8395.67 4090.55,8398.88 4090.55,8413.39 3939.83,8564.11 3939.83,8973.29 4090.55,9124.02 pad.5@4090.55,9161.42
  Layer7_sig2 w6: v4(1640.97,9404.75) 1641.41,9404.3 1663.15,9404.3 1663.59,9404.75 2376.05,9404.75 v4(2445.51,9335.28) ; v1(1682.09,5197.83) 1682.09,5186.02 1716.54,5151.57 v5(1716.54,4984.25) ; v1(1682.09,5965.55) 1682.09,5953.74 1716.54,5919.29 v5(1716.54,5751.97) ; v1(1682.09,6733.27) 1682.09,6721.46 1716.54,6687.01 v5(1716.54,6519.69) ; v1(1682.09,7500.98) 1682.09,7489.17 1716.54,7454.72 v5(1716.54,7287.4) ; v1(1682.09,8268.7) 1682.09,8256.89 1716.54,8222.44 v5(1716.54,8055.12) ; v1(1682.09,9036.42) 1682.09,9024.61 1716.54,8990.16 v5(1716.54,8822.83) ; v4(2436.24,4301.95) 2436.68,4302.39 2458.42,4302.39 2458.87,4301.95 3181.87,4301.95 3296.89,4416.97 v4(3296.89,4417.68) ; v1(2449.8,5197.83) 2449.8,5186.02 2484.25,5151.57 v5(2484.25,4984.25) ; v1(2449.8,5965.55) 2449.8,5953.74 2484.25,5919.29 v5(2484.25,5751.97) ; v1(2449.8,6733.27) 2449.8,6721.46 2484.25,6687.01 v5(2484.25,6519.69) ; v1(2449.8,7500.98) 2449.8,7489.17 2484.25,7454.72 v5(2484.25,7287.4) ; v1(2449.8,8268.7) 2449.8,8256.89 2484.25,8222.44 v5(2484.25,8055.12) ; v1(2449.8,9036.42) 2449.8,9024.61 2484.25,8990.16 v5(2484.25,8822.83) ; v4(3207.89,9387.03) 3208.34,9386.58 3950.46,9386.58 v4(3951.99,9385.06) ; v1(3217.52,5197.83) 3217.52,5186.02 3251.97,5151.57 v5(3251.97,4984.25) ; v1(3217.52,5965.55) 3217.52,5953.74 3251.97,5919.29 v5(3251.97,5751.97) ; v1(3217.52,6733.27) 3217.52,6721.46 3251.97,6687.01 v5(3251.97,6519.69) ; v1(3217.52,7500.98) 3217.52,7489.17 3251.97,7454.72 v5(3251.97,7287.4) ; v1(3217.52,8268.7) 3217.52,8256.89 3251.97,8222.44 v5(3251.97,8055.12) ; v1(3217.52,9036.42) 3217.52,9024.61 3251.97,8990.16 v5(3251.97,8822.83) ; v1(3985.24,5197.83) 3985.24,5186.02 4019.69,5151.57 v5(4019.69,4984.25) ; v1(3985.24,5965.55) 3985.24,5953.74 4019.69,5919.29 v5(4019.69,5751.97) ; v1(3985.24,6733.27) 3985.24,6721.46 4019.69,6687.01 v5(4019.69,6519.69) ; v1(3985.24,7500.98) 3985.24,7489.17 4019.69,7454.72 v5(4019.69,7287.4) ; v1(3985.24,8268.7) 3985.24,8256.89 4019.69,8222.44 v5(4019.69,8055.12) ; v1(3985.24,9036.42) 3985.24,9024.61 4019.69,8990.16 v5(4019.69,8822.83)
  Layer8_BOT w6: CN11.47@3407.48,3153.94 3414.96,3153.94 3456.69,3112.2 v9(3456.69,1521.65)
BUS4: CN11.48 pad.5@1767.72,4557.09 pad.5@1767.72,5320.87 pad.5@1767.72,5324.8 pad.5@1767.72,6088.58 pad.5@1767.72,6092.52 pad.5@1767.72,6856.3 pad.5@1767.72,6860.24 pad.5@1767.72,7624.02 pad.5@1767.72,7627.95 pad.5@1767.72,8391.73 pad.5@1767.72,8395.67 pad.5@1767.72,9159.45 pad.5@2535.43,4557.09 pad.5@2535.43,5320.87 pad.5@2535.43,5324.8 pad.5@2535.43,6088.58 pad.5@2535.43,6092.52 pad.5@2535.43,6856.3 pad.5@2535.43,6860.24 pad.5@2535.43,7624.02 pad.5@2535.43,7627.95 pad.5@2535.43,8391.73 pad.5@2535.43,8395.67 pad.5@2535.43,9159.45 pad.5@3303.15,4557.09 pad.5@3303.15,5320.87 pad.5@3303.15,5324.8 pad.5@3303.15,6088.58 pad.5@3303.15,6092.52 pad.5@3303.15,6856.3 pad.5@3303.15,6860.24 pad.5@3303.15,7624.02 pad.5@3303.15,7627.95 pad.5@3303.15,8391.73 pad.5@3303.15,8395.67 pad.5@3303.15,9159.45 pad.5@4070.87,4557.09 pad.5@4070.87,5320.87 pad.5@4070.87,5324.8 pad.5@4070.87,6088.58 pad.5@4070.87,6092.52 pad.5@4070.87,6856.3 pad.5@4070.87,6860.24 pad.5@4070.87,7624.02 pad.5@4070.87,7627.95 pad.5@4070.87,8391.73 pad.5@4070.87,8395.67 pad.5@4070.87,9159.45 U1_CH1.A3 U1_CH2.A3 U1_CH3.A3 U1_CH4.A3 U1_CH5.A3 U1_CH6.A3 U1_CH7.A3 U1_CH8.A3 U1_CH9.A3 U1_CH10.A3 U1_CH11.A3 U1_CH12.A3 U1_CH13.A3 U1_CH14.A3 U1_CH15.A3 U1_CH16.A3 U1_CH17.A3 U1_CH18.A3 U1_CH19.A3 U1_CH20.A3 U1_CH21.A3 U1_CH22.A3 U1_CH23.A3 U1_CH24.A3 | length 36847.4
  Layer1_Top w6: v8(1747.56,3925.2) 1747.56,2136.37 2405.59,1478.35 v9(3409.45,1478.35)
  Layer6_BUS w6: v4(1625.41,9389.19) 1767.72,9246.88 pad.5@1767.72,9159.45 ; v1(1699.54,5217.79) 1697.96,5217.79 1691.34,5224.41 1688.98,5224.41 ; v1(1699.54,5985.5) 1697.96,5985.5 1691.34,5992.13 1688.98,5992.13 ; v1(1699.54,6753.22) 1697.96,6753.22 1691.34,6759.84 1688.98,6759.84 ; v1(1699.54,7520.94) 1697.96,7520.94 1691.34,7527.56 1688.98,7527.56 ; v1(1699.54,8288.65) 1697.96,8288.65 1691.34,8295.28 1688.98,8295.28 ; v1(1699.54,9056.37) 1697.96,9056.37 1691.34,9062.99 1688.98,9062.99 ; v8(1747.56,3925.2) 1749.86,3927.49 1749.86,3934.57 1750,3934.71 1750,3956.69 1767.72,3974.41 pad.5@1767.72,4557.09 ; pad.5@1767.72,4558.05 1767.72,4574.8 1626.68,4715.84 1626.68,5162.11 1674.59,5210.02 1688.98,5224.41 ; pad.5@1767.72,5324.8 pad.5@1767.72,5322.83 ; pad.5@1767.72,6092.52 pad.5@1767.72,6090.55 ; pad.5@1767.72,6860.24 pad.5@1767.72,6858.27 ; pad.5@1767.72,7627.95 pad.5@1767.72,7625.98 ; pad.5@1767.72,8395.67 pad.5@1767.72,8393.7 ; pad.5@1767.72,9161.42 1767.72,9141.73 1740.16,9114.17 1688.98,9062.99 ; v4(2420.68,4317.5) 2535.43,4432.25 pad.5@2535.43,4555.12 ; v4(2429.96,9319.72) 2535.43,9214.25 pad.5@2535.43,9159.45 ; v1(2467.25,5217.79) 2465.68,5217.79 2459.06,5224.41 2456.69,5224.41 ; v1(2467.25,5985.5) 2465.68,5985.5 2459.06,5992.13 2456.69,5992.13 ; v1(2467.25,6753.22) 2465.68,6753.22 2459.06,6759.84 2456.69,6759.84 ; v1(2467.25,7520.94) 2465.68,7520.94 2459.06,7527.56 2456.69,7527.56 ; v1(2467.25,8288.65) 2465.68,8288.65 2459.06,8295.28 2456.69,8295.28 ; v1(2467.25,9056.37) 2465.68,9056.37 2459.06,9062.99 2456.69,9062.99 ; pad.5@2535.43,4557.09 pad.5@2535.43,4555.12 ; pad.5@2535.43,5324.8 pad.5@2535.43,5322.83 ; pad.5@2535.43,6092.52 pad.5@2535.43,6090.55 ; pad.5@2535.43,6860.24 pad.5@2535.43,6858.27 ; pad.5@2535.43,7627.95 pad.5@2535.43,7625.98 ; pad.5@2535.43,8395.67 pad.5@2535.43,8393.7 ; pad.5@2535.43,9161.42 2535.43,9141.73 2507.87,9114.17 2456.69,9062.99 ; v4(3192.34,9371.47) 3303.15,9260.66 pad.5@3303.15,9159.45 ; v1(3234.97,5217.79) 3233.4,5217.79 3226.77,5224.41 3224.41,5224.41 ; v1(3234.97,5985.5) 3233.4,5985.5 3226.77,5992.13 3224.41,5992.13 ; v1(3234.97,6753.22) 3233.4,6753.22 3226.77,6759.84 3224.41,6759.84 ; v1(3234.97,7520.94) 3233.4,7520.94 3226.77,7527.56 3224.41,7527.56 ; v1(3234.97,8288.65) 3233.4,8288.65 3226.77,8295.28 3224.41,8295.28 ; v1(3234.97,9056.37) 3233.4,9056.37 3226.77,9062.99 3224.41,9062.99 ; v4(3281.34,4433.23) 3303.15,4455.05 pad.5@3303.15,4555.12 ; pad.5@3303.15,4557.09 pad.5@3303.15,4555.12 ; pad.5@3303.15,5324.8 pad.5@3303.15,5322.83 ; pad.5@3303.15,6092.52 pad.5@3303.15,6090.55 ; pad.5@3303.15,6860.24 pad.5@3303.15,6858.27 ; pad.5@3303.15,7627.95 pad.5@3303.15,7625.98 ; pad.5@3303.15,8395.67 pad.5@3303.15,8393.7 ; pad.5@3303.15,9161.42 3303.15,9141.73 3275.59,9114.17 3224.41,9062.99 ; v4(3936.43,9369.5) 4070.39,9235.54 pad.5@4070.39,9159.92 ; v1(4002.69,5217.79) 4001.11,5217.79 3994.49,5224.41 3992.13,5224.41 ; v1(4002.69,5985.5) 4001.11,5985.5 3994.49,5992.13 3992.13,5992.13 ; v1(4002.69,6753.22) 4001.11,6753.22 3994.49,6759.84 3992.13,6759.84 ; v1(4002.69,7520.94) 4001.11,7520.94 3994.49,7527.56 3992.13,7527.56 ; v1(4002.69,8288.65) 4001.11,8288.65 3994.49,8295.28 3992.13,8295.28 ; v1(4002.69,9056.37) 4001.11,9056.37 3994.49,9062.99 3992.13,9062.99 ; pad.5@4070.87,4557.09 4070.87,4555.12 4070.87,4574.8 3929.83,4715.84 3929.83,5162.11 3977.74,5210.02 3992.13,5224.41 ; pad.5@4070.87,5324.8 pad.5@4070.87,5322.83 ; pad.5@4070.87,6092.52 pad.5@4070.87,6090.55 ; pad.5@4070.87,6860.24 pad.5@4070.87,6858.27 ; pad.5@4070.87,7627.95 pad.5@4070.87,7625.98 ; pad.5@4070.87,8395.67 pad.5@4070.87,8393.7 ; pad.5@4070.87,9161.42 4070.87,9141.73 4043.31,9114.17 3992.13,9062.99 ; 1688.98,5224.41 1740.16,5275.59 1767.72,5303.15 pad.5@1767.72,5322.83 ; 1688.98,5992.13 1740.16,6043.31 1767.72,6070.87 pad.5@1767.72,6090.55 ; 1688.98,5992.13 1674.59,5977.74 1626.68,5929.83 1626.68,5483.56 1767.72,5342.52 pad.5@1767.72,5322.83 ; 1688.98,6759.84 1740.16,6811.02 1767.72,6838.58 pad.5@1767.72,6858.27 ; 1688.98,6759.84 1674.59,6745.45 1626.68,6697.54 1626.68,6251.28 1767.72,6110.24 pad.5@1767.72,6090.55 ; 1688.98,7527.56 1740.16,7578.74 1767.72,7606.3 pad.5@1767.72,7625.98 ; 1688.98,7527.56 1674.59,7513.17 1626.68,7465.26 1626.68,7018.99 1767.72,6877.95 pad.5@1767.72,6858.27 ; 1688.98,8295.28 1740.16,8346.46 1767.72,8374.02 pad.5@1767.72,8393.7 ; 1688.98,8295.28 1674.59,8280.89 1626.68,8232.98 1626.68,7786.71 1767.72,7645.67 pad.5@1767.72,7625.98 ; 1688.98,9062.99 1674.59,9048.6 1626.68,9000.69 1626.68,8554.42 1767.72,8413.39 pad.5@1767.72,8393.7 ; 2456.69,5224.41 2507.87,5275.59 2535.43,5303.15 pad.5@2535.43,5322.83 ; 2456.69,5224.41 2442.3,5210.02 2394.39,5162.11 2394.39,4715.84 2535.43,4574.8 pad.5@2535.43,4555.12 ; 2456.69,5992.13 2507.87,6043.31 2535.43,6070.87 pad.5@2535.43,6090.55 ; 2456.69,5992.13 2442.3,5977.74 2394.39,5929.83 2394.39,5483.56 2535.43,5342.52 pad.5@2535.43,5322.83 ; 2456.69,6759.84 2507.87,6811.02 2535.43,6838.58 pad.5@2535.43,6858.27 ; 2456.69,6759.84 2442.3,6745.45 2394.39,6697.54 2394.39,6251.28 2535.43,6110.24 pad.5@2535.43,6090.55 ; 2456.69,7527.56 2507.87,7578.74 2535.43,7606.3 pad.5@2535.43,7625.98 ; 2456.69,7527.56 2442.3,7513.17 2394.39,7465.26 2394.39,7018.99 2535.43,6877.95 pad.5@2535.43,6858.27 ; 2456.69,8295.28 2507.87,8346.46 2535.43,8374.02 pad.5@2535.43,8393.7 ; 2456.69,8295.28 2442.3,8280.89 2394.39,8232.98 2394.39,7786.71 2535.43,7645.67 pad.5@2535.43,7625.98 ; 2456.69,9062.99 2442.3,9048.6 2394.39,9000.69 2394.39,8554.42 2535.43,8413.39 pad.5@2535.43,8393.7 ; 3224.41,5224.41 3275.59,5275.59 3303.15,5303.15 pad.5@3303.15,5322.83 ; 3224.41,5224.41 3210.02,5210.02 3162.11,5162.11 3162.11,4715.84 3303.15,4574.8 pad.5@3303.15,4555.12 ; 3224.41,5992.13 3275.59,6043.31 3303.15,6070.87 pad.5@3303.15,6090.55 ; 3224.41,5992.13 3210.02,5977.74 3162.11,5929.83 3162.11,5483.56 3303.15,5342.52 pad.5@3303.15,5322.83 ; 3224.41,6759.84 3275.59,6811.02 3303.15,6838.58 pad.5@3303.15,6858.27 ; 3224.41,6759.84 3210.02,6745.45 3162.11,6697.54 3162.11,6251.28 3303.15,6110.24 pad.5@3303.15,6090.55 ; 3224.41,7527.56 3275.59,7578.74 3303.15,7606.3 pad.5@3303.15,7625.98 ; 3224.41,7527.56 3210.02,7513.17 3162.11,7465.26 3162.11,7018.99 3303.15,6877.95 pad.5@3303.15,6858.27 ; 3224.41,8295.28 3275.59,8346.46 3303.15,8374.02 pad.5@3303.15,8393.7 ; 3224.41,8295.28 3210.02,8280.89 3162.11,8232.98 3162.11,7786.71 3303.15,7645.67 pad.5@3303.15,7625.98 ; 3224.41,9062.99 3210.02,9048.6 3162.11,9000.69 3162.11,8554.42 3303.15,8413.39 pad.5@3303.15,8393.7 ; 3992.13,5224.41 4043.31,5275.59 4070.87,5303.15 pad.5@4070.87,5322.83 ; 3992.13,5992.13 4043.31,6043.31 4070.87,6070.87 pad.5@4070.87,6090.55 ; 3992.13,5992.13 3977.74,5977.74 3929.83,5929.83 3929.83,5483.56 4070.87,5342.52 pad.5@4070.87,5322.83 ; 3992.13,6759.84 4043.31,6811.02 4070.87,6838.58 pad.5@4070.87,6858.27 ; 3992.13,6759.84 3977.74,6745.45 3929.83,6697.54 3929.83,6251.28 4070.87,6110.24 pad.5@4070.87,6090.55 ; 3992.13,7527.56 4043.31,7578.74 4070.87,7606.3 pad.5@4070.87,7625.98 ; 3992.13,7527.56 3977.74,7513.17 3929.83,7465.26 3929.83,7018.99 4070.87,6877.95 pad.5@4070.87,6858.27 ; 3992.13,8295.28 4043.31,8346.46 4070.87,8374.02 pad.5@4070.87,8393.7 ; 3992.13,8295.28 3977.74,8280.89 3929.83,8232.98 3929.83,7786.71 4070.87,7645.67 pad.5@4070.87,7625.98 ; 3992.13,9062.99 3977.74,9048.6 3929.83,9000.69 3929.83,8554.42 4070.87,8413.39 pad.5@4070.87,8393.7
  Layer7_sig2 w6: v4(1625.41,9389.19) 1625.85,9388.75 1647.59,9388.75 1648.04,9389.19 2360.49,9389.19 v4(2429.96,9319.72) ; v4(2420.68,4317.5) 2421.13,4317.95 2442.87,4317.95 2443.31,4317.5 3167.9,4317.5 3281.34,4430.94 v4(3281.34,4433.23) ; v4(3192.34,9371.47) 3192.78,9371.03 3934.91,9371.03 v4(3936.43,9369.5)
  Layer8_BOT w6: v1(1699.54,5217.79) 1716.54,5200.79 U1_CH1.A3@1716.54,5000 ; v1(1699.54,5985.5) 1716.54,5968.5 U1_CH2.A3@1716.54,5767.72 ; v1(1699.54,6753.22) 1716.54,6736.22 U1_CH3.A3@1716.54,6535.43 ; v1(1699.54,7520.94) 1716.54,7503.94 U1_CH4.A3@1716.54,7303.15 ; v1(1699.54,8288.65) 1716.54,8271.65 U1_CH5.A3@1716.54,8070.87 ; v1(1699.54,9056.37) 1716.54,9039.37 U1_CH6.A3@1716.54,8838.58 ; v1(2467.25,5217.79) 2484.25,5200.79 U1_CH7.A3@2484.25,5000 ; v1(2467.25,5985.5) 2484.25,5968.5 U1_CH8.A3@2484.25,5767.72 ; v1(2467.25,6753.22) 2484.25,6736.22 U1_CH9.A3@2484.25,6535.43 ; v1(2467.25,7520.94) 2484.25,7503.94 U1_CH10.A3@2484.25,7303.15 ; v1(2467.25,8288.65) 2484.25,8271.65 U1_CH11.A3@2484.25,8070.87 ; v1(2467.25,9056.37) 2484.25,9039.37 U1_CH12.A3@2484.25,8838.58 ; v1(3234.97,5217.79) 3251.97,5200.79 U1_CH13.A3@3251.97,5000 ; v1(3234.97,5985.5) 3251.97,5968.5 U1_CH14.A3@3251.97,5767.72 ; v1(3234.97,6753.22) 3251.97,6736.22 U1_CH15.A3@3251.97,6535.43 ; v1(3234.97,7520.94) 3251.97,7503.94 U1_CH16.A3@3251.97,7303.15 ; v1(3234.97,8288.65) 3251.97,8271.65 U1_CH17.A3@3251.97,8070.87 ; v1(3234.97,9056.37) 3251.97,9039.37 U1_CH18.A3@3251.97,8838.58 ; CN11.48@3407.48,3053.94 3407.48,1480.32 v9(3409.45,1478.35) ; v1(4002.69,5217.79) 4019.69,5200.79 U1_CH19.A3@4019.69,5000 ; v1(4002.69,5985.5) 4019.69,5968.5 U1_CH20.A3@4019.69,5767.72 ; v1(4002.69,6753.22) 4019.69,6736.22 U1_CH21.A3@4019.69,6535.43 ; v1(4002.69,7520.94) 4019.69,7503.94 U1_CH22.A3@4019.69,7303.15 ; v1(4002.69,8288.65) 4019.69,8271.65 U1_CH23.A3@4019.69,8070.87 ; v1(4002.69,9056.37) 4019.69,9039.37 U1_CH24.A3@4019.69,8838.58